# Altium PCB PCB.PcbDoc (part 3 of 4)
Units mm, origin at the board's own origin, x right, y up, seen from the top; angles counter-clockwise.
Board outline 71 x 50 mm, 6 copper layers (Top Layer, Int1 (GND), Int2 (Sign), Int3 (Sign), Int4 (PWR), Bottom Layer), stack 1.146 mm thick; 315 components, 294 nets, 1506 pads, 503 vias.
Unrouted connection lines stored in the file: 670.
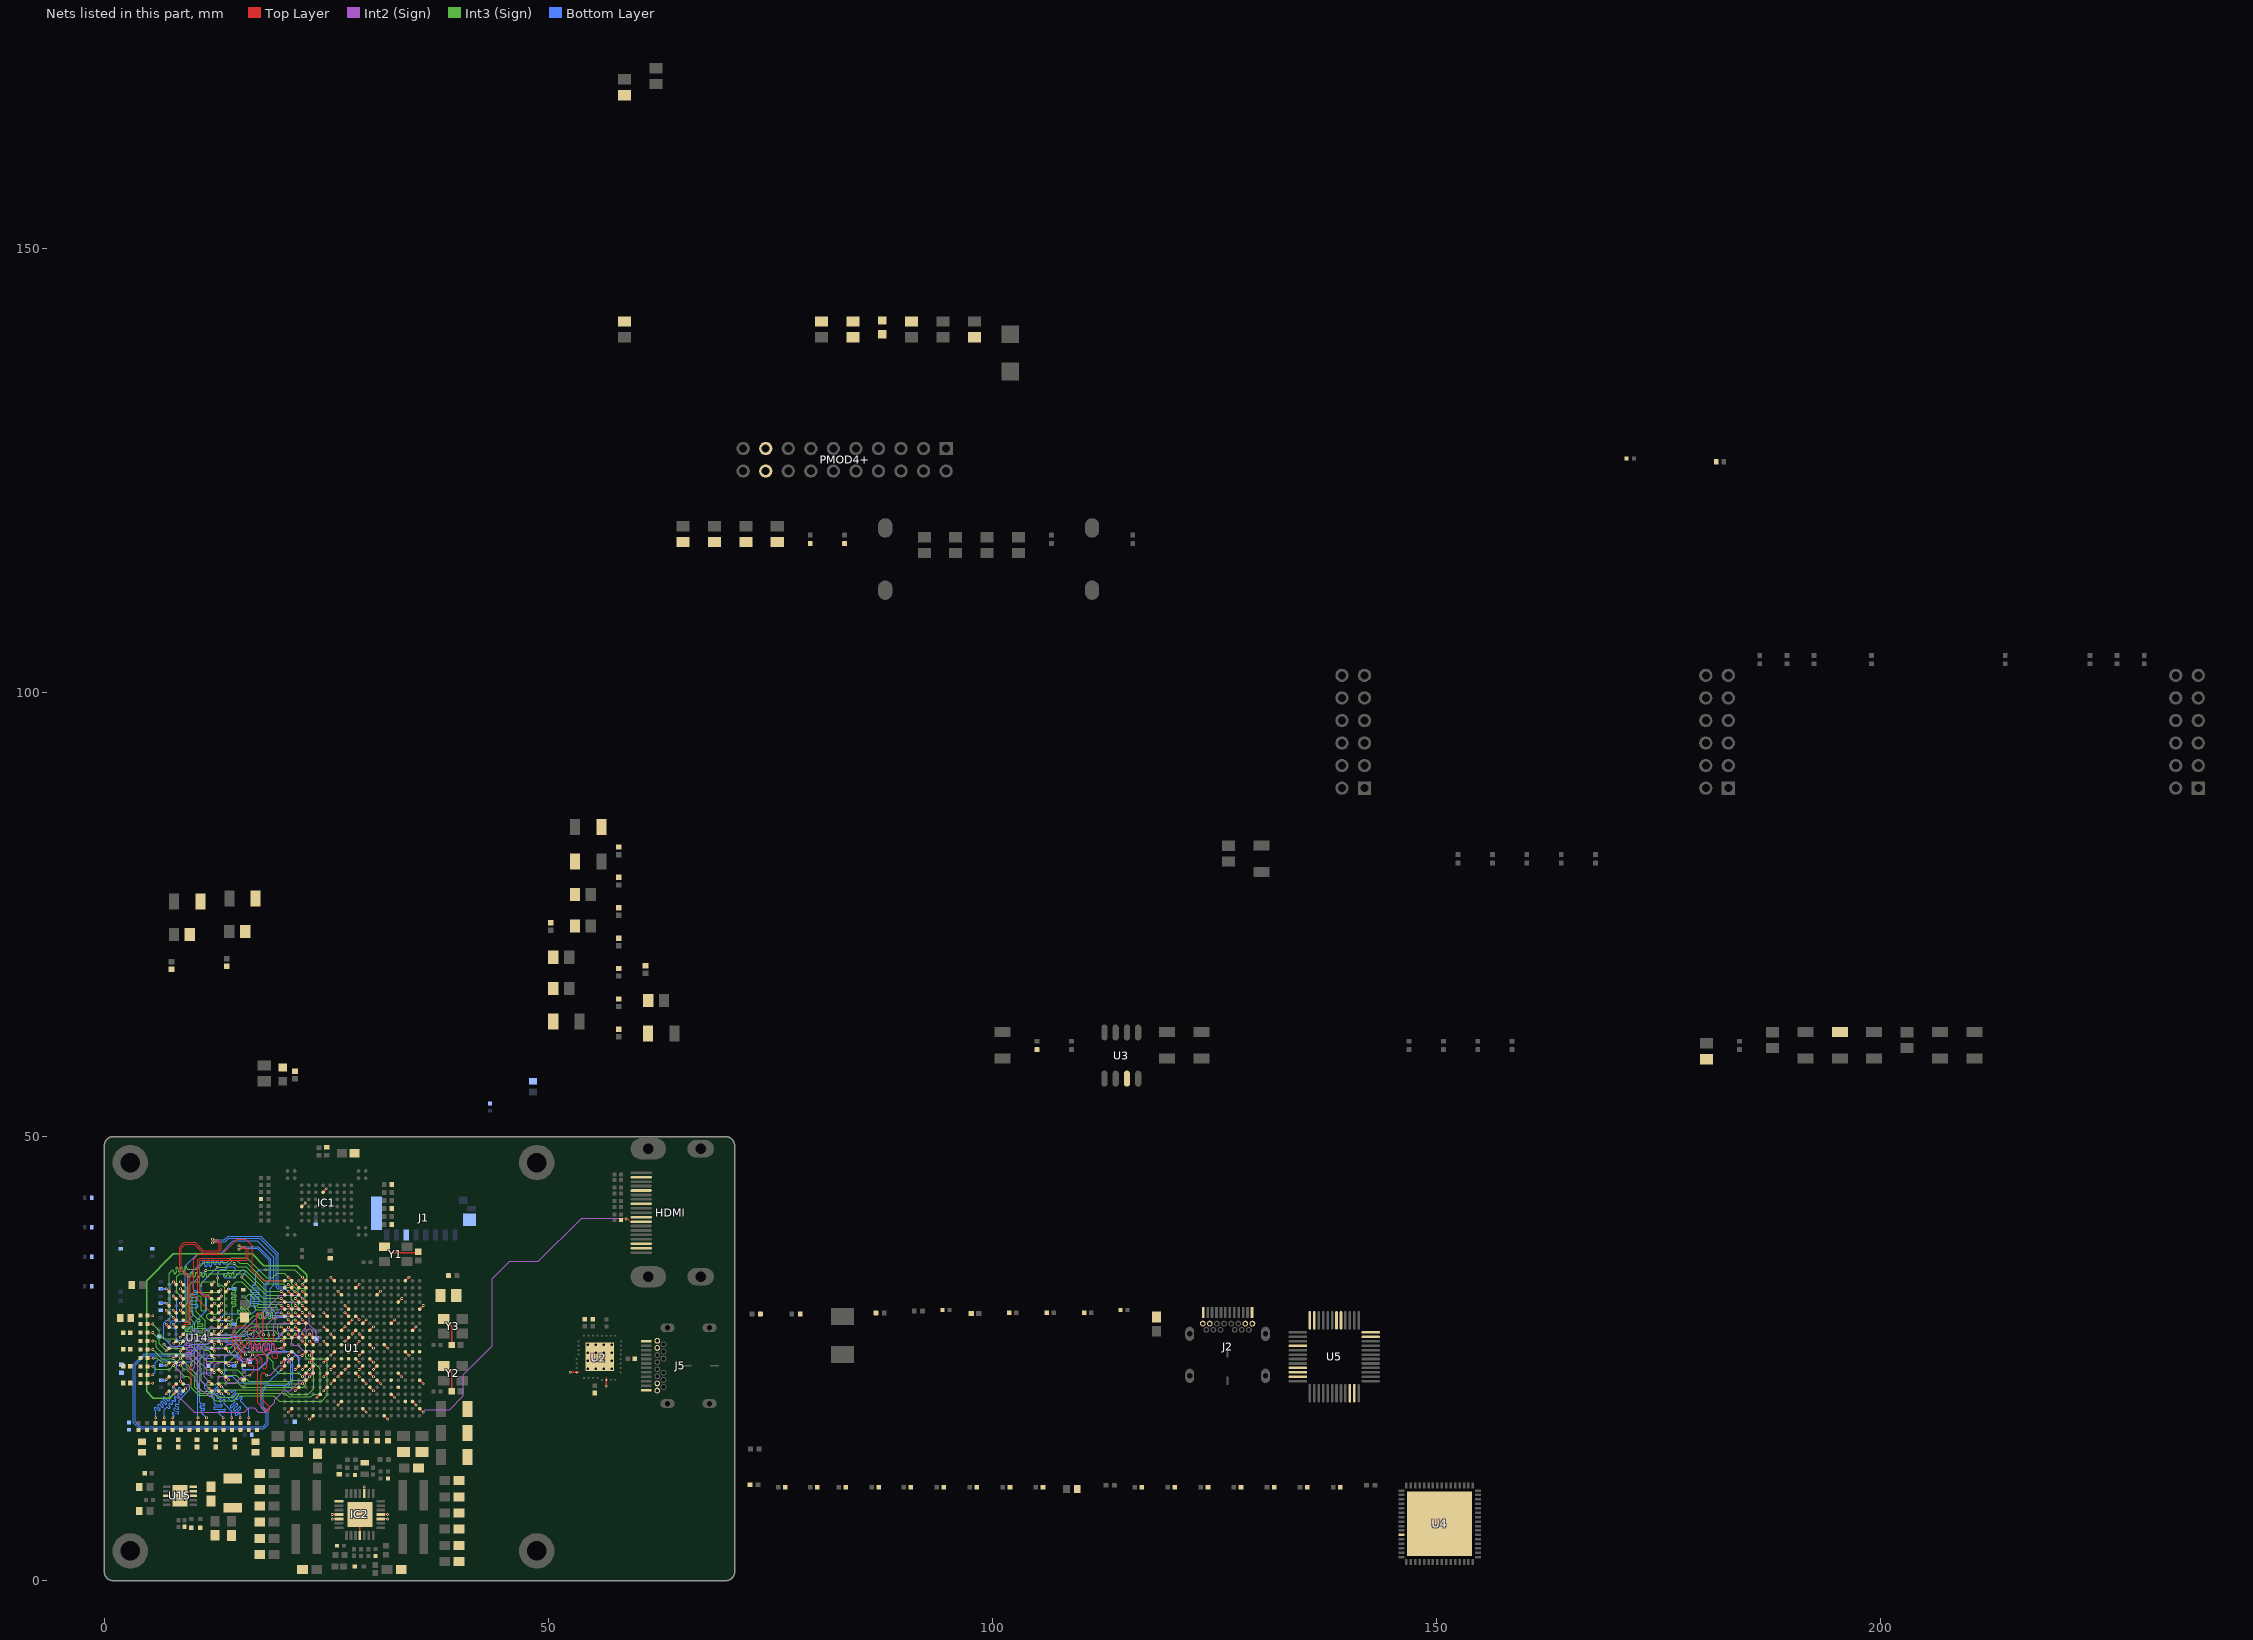
[diagram p7: the nets of this part, all layers, seen from the top]

## Via types
v1: diameter 0.3, hole 0.15, Top Layer to Bottom Layer, 451 vias
v2: diameter 0.6, hole 0.4, Top Layer to Bottom Layer, tented both sides, 32 vias
v3: diameter 0.5, hole 0.3, Top Layer to Bottom Layer, 16 vias
v4: diameter 0.5, hole 0.2, Top Layer to Bottom Layer, 4 vias

## Nets (pads, with @x,y where several pads share a name; then routed paths per layer and width w, separated by ;. In a path a pad name is that pad's centre, name@x,y a point inside that pad or via, vN(x,y) a via of type N, cw(c..) or ccw(c..) an arc to the next point about the centre after c; other vN are vias at no path point) (continued)
DDR-0-A6: R99.2 U1.L4 U14.R8 | length 35.8
  Top Layer w0.127: R99.2@16.275,17.76 v1(16.275,18.334) ; v1(16.4,23.15) 16.83,23.58 16.83,24.129 16.689,24.27 16.311,24.27 16.17,24.411 16.17,24.75 16.41,24.99 17.05,24.99 17.31,24.73 17.31,20.01 18.22,19.1 18.479,19.1 18.62,19.241 18.62,19.53 17.66,20.49 17.66,23.232 17.839,23.411 18.038,23.411 v1(18.3,23.15) v1(18.3,23.15)
  Top Layer w0.15: v1(22.31,25.363) 22.31,25.367 22.703,25.76 U1.L4@22.71,25.76
  Top Layer w0.237: U14.R8@12.898,22.15 v1(13.207,21.842)
  Int2 (Sign) w0.127: v1(13.207,21.842) 12.845,22.204 12.845,22.874 12.966,22.995 13.353,22.995 13.56,22.788 13.56,22.59 13.89,22.26 14.79,22.26 15.42,22.89 15.76,22.89 16.02,23.15 v1(16.4,23.15) ; v1(18.3,23.15) 18.68,23.15 19.712,24.182 20.142,24.182 20.337,24.377 20.337,24.686 20.362,24.711 20.362,24.727 20.57,24.935 21.085,24.935 21.51,25.36 22.307,25.36 v1(22.31,25.363)
  Bottom Layer w0.127: v1(13.207,21.842) 13.588,21.46 14.08,21.46 14.225,21.315 14.27,21.27 ccw(c14.36,21.36) 14.45,21.27 14.581,21.402 cw(c14.671,21.312) 14.761,21.402 cw(c14.671,21.312) 14.761,21.222 14.325,20.787 ccw(c14.415,20.697) 14.325,20.607 ccw(c14.415,20.697) 14.505,20.607 14.94,21.042 cw(c15.03,20.953) 15.12,21.042 cw(c15.03,20.953) 15.12,20.863 14.874,20.617 ccw(c14.963,20.527) 14.874,20.437 ccw(c14.963,20.527) 15.053,20.437 15.3,20.683 cw(c15.389,20.593) 15.479,20.683 cw(c15.389,20.593) 15.479,20.504 15.348,20.372 ccw(c15.437,20.282) 15.348,20.192 16.049,19.491 16.094,19.446 16.275,19.265 v1(16.275,18.334)
DDR-0-A7: R100.2 U1.K4 U14.R2 | length 36.7
  Top Layer w0.127: R100.2@5.792,17.76 v1(5.792,18.334)
  Top Layer w0.15: v1(22.297,26.993) 22.302,26.993 22.7,26.595 U1.K4@22.7,26.59
  Top Layer w0.237: v1(7.79,21.842) U14.R2@8.098,22.15
  Int2 (Sign) w0.127: v1(7.79,21.842) 8.329,21.303 8.329,20.767 10.113,18.983 15.782,18.983 16.249,19.451 16.882,19.451 17.349,18.983 18.093,18.983 19.18,20.07 19.18,20.369 20.211,21.4 20.93,21.4 22.07,22.54 22.496,22.54 22.673,22.717 22.673,23.133 22.857,23.317 23.307,23.317 23.49,23.5 23.49,25.51 23.07,25.93 22.379,25.93 21.775,26.533 21.327,26.533 21.112,26.748 21.112,27.136 21.375,27.4 21.776,27.4 22.103,27.074 22.191,27.074 22.271,26.993 v1(22.297,26.993)
  Bottom Layer w0.127: v1(5.792,18.334) 5.792,18.96 5.792,19.05 ccw(c5.575,19.05) 5.728,19.203 5.653,19.278 cw(c5.743,19.368) 5.653,19.457 cw(c5.743,19.368) 5.833,19.457 6.094,19.196 ccw(c6.184,19.286) 6.274,19.196 ccw(c6.184,19.286) 6.274,19.376 6.045,19.604 cw(c6.135,19.694) 6.045,19.784 cw(c6.135,19.694) 6.225,19.784 6.453,19.556 ccw(c6.543,19.645) 6.633,19.556 ccw(c6.543,19.645) 6.633,19.735 6.404,19.964 cw(c6.494,20.053) 6.404,20.143 cw(c6.494,20.053) 6.584,20.143 6.812,19.915 ccw(c6.902,20.005) 6.992,19.915 ccw(c6.902,20.005) 6.992,20.094 6.643,20.443 cw(c6.733,20.533) 6.643,20.623 cw(c6.733,20.533) 6.823,20.623 7.172,20.274 ccw(c7.261,20.364) 7.351,20.274 ccw(c7.261,20.364) 7.351,20.454 7.297,20.508 cw(c7.387,20.597) 7.297,20.687 7.4,20.79 7.4,20.938 7.4,21.151 7.757,21.508 7.757,21.808 v1(7.79,21.842)
DDR-0-A8: R101.2 U1.K1 U14.T8 | length 36.8
  Top Layer w0.127: R101.2@15.322,17.76 v1(15.322,18.334)
  Top Layer w0.15: v1(19.91,26.16) U1.K1@20.31,26.56
  Top Layer w0.237: U14.T8@12.898,21.35 v1(13.207,21.042)
  Int2 (Sign) w0.127: v1(13.207,21.042) 12.728,21.52 12.46,21.52 12.22,21.28 12.22,20.865 12.099,20.743 11.817,20.743 11.23,21.33 10.93,21.33 10.63,21.63 10.63,22.19 10.27,22.55 10.27,23.33 10.52,23.58 10.52,26.51 11.045,27.035 11.685,27.035 12.05,27.4 14.78,27.4 16.02,26.16 16.143,26.16 16.206,26.16 ccw(c16.206,26.287) 16.333,26.287 16.333,26.558 cw(c16.46,26.558) 16.587,26.558 16.587,26.022 ccw(c16.714,26.022) 16.841,26.022 16.841,26.558 cw(c16.968,26.558) 17.095,26.558 17.095,26.022 ccw(c17.222,26.022) 17.349,26.022 17.349,26.558 cw(c17.476,26.558) 17.603,26.558 17.603,26.022 ccw(c17.73,26.022) 17.857,26.022 17.857,26.558 cw(c17.984,26.558) 18.111,26.558 18.111,26.022 ccw(c18.238,26.022) 18.365,26.022 18.365,26.558 cw(c18.492,26.558) 18.619,26.558 18.619,26.022 ccw(c18.746,26.022) 18.873,26.022 18.873,26.558 cw(c19,26.558) 19.127,26.558 19.127,26.022 ccw(c19.254,26.022) 19.381,26.022 19.381,26.033 cw(c19.508,26.033) 19.508,26.16 v1(19.91,26.16)
  Bottom Layer w0.127: v1(13.207,21.042) 13.61,20.639 13.871,20.639 14.217,20.293 14.262,20.248 14.268,20.242 ccw(c14.358,20.332) 14.442,20.236 14.519,20.303 cw(c14.602,20.208) 14.698,20.291 cw(c14.602,20.208) 14.686,20.112 14.231,19.714 ccw(c14.314,19.618) 14.219,19.534 ccw(c14.314,19.618) 14.398,19.522 14.853,19.921 cw(c14.937,19.825) 15.032,19.909 cw(c14.937,19.825) 15.021,19.73 14.582,19.346 ccw(c14.665,19.25) 14.57,19.166 ccw(c14.665,19.25) 14.749,19.155 15.188,19.539 cw(c15.271,19.443) 15.367,19.527 cw(c15.271,19.443) 15.355,19.348 14.78,18.844 ccw(c14.864,18.749) 14.768,18.665 ccw(c14.864,18.749) 14.947,18.653 15.112,18.797 cw(c15.195,18.701) 15.322,18.701 15.322,18.368 v1(15.322,18.334)
DDR-0-A9: R102.2 U1.J4 U14.R3 | length 36.7
  Top Layer w0.127: R102.2@7.698,17.76 v1(7.698,18.334)
  Top Layer w0.15: v1(22.308,27.801) 22.308,27.797 22.7,27.405 U1.J4@22.7,27.39
  Top Layer w0.237: v1(8.59,22.458) U14.R3@8.898,22.15
  Int2 (Sign) w0.127: v1(8.59,22.458) 8.59,23.45 8.18,23.86 8.18,24.474 8.301,24.595 9.015,24.595 9.214,24.396 9.214,24.113 9.497,23.83 9.95,23.83 10.19,24.07 10.19,27.28 10.46,27.55 11.484,27.55 11.64,27.707 14.993,27.707 15.14,27.56 15.38,27.56 15.56,27.74 15.56,27.96 15.71,28.11 15.98,28.11 16.14,27.95 16.14,27.54 16.36,27.32 16.65,27.32 16.91,27.58 16.91,28.6 17.05,28.74 17.359,28.74 17.48,28.619 17.48,27.5 17.88,27.1 19.34,27.1 19.647,27.407 19.647,28.027 19.567,28.106 19.567,28.827 19.71,28.97 22.579,28.97 22.7,28.849 22.7,28.455 22.326,28.081 22.326,27.819 v1(22.308,27.801)
  Bottom Layer w0.127: v1(7.698,18.334) 7.766,18.403 7.823,18.459 ccw(c7.733,18.549) 7.775,18.669 7.728,18.685 cw(c7.771,18.805) 7.651,18.847 cw(c7.771,18.805) 7.813,18.925 8.22,18.782 ccw(c8.262,18.902) 8.382,18.86 ccw(c8.262,18.902) 8.304,19.022 7.897,19.165 cw(c7.939,19.285) 7.981,19.404 8.22,19.32 ccw(c8.262,19.44) 8.382,19.398 ccw(c8.262,19.44) 8.304,19.56 8.065,19.644 cw(c8.108,19.764) 7.988,19.806 cw(c8.108,19.764) 8.15,19.884 8.251,19.848 ccw(c8.293,19.968) 8.42,19.968 8.42,20.24 8.42,20.32 9.65,21.55 9.65,21.877 9.396,22.132 8.964,22.132 8.637,22.458 v1(8.59,22.458)
DDR-0-A10: R103.2 U1.F5 U14.L7 | length 36.8
  Top Layer w0.127: R103.2@10.557,17.76 v1(10.557,18.334)
  Top Layer w0.15: v1(23.1,30.19) U1.F5@23.5,29.79
  Top Layer w0.237: U14.L7@12.098,25.35 v1(12.408,25.039)
  Int2 (Sign) w0.127: v1(12.408,25.039) 12.391,25.022 12.391,24.711 12.27,24.59 12.035,24.59 11.914,24.469 11.914,23.936 12.05,23.8 12.05,23.3 11.9,23.15 11.691,23.15 11.57,23.271 11.57,25.16 11.87,25.46 14.5,25.46 15.007,24.953 15.233,24.953 15.476,24.71 16.55,24.71 17.34,25.5 18.436,25.5 18.58,25.644 19.924,25.644 20.274,25.994 20.274,27.387 20.01,27.65 20.01,27.9 20.29,28.18 21.72,28.18 21.93,27.97 21.93,27.68 22.23,27.38 22.496,27.38 22.767,27.651 22.767,28.088 23.069,28.39 23.18,28.39 23.51,28.06 23.51,27.16 23.8,26.87 24.029,26.87 24.15,26.991 24.15,27.31 23.85,27.61 23.85,28.081 23.1,28.831 v1(23.1,30.19)
  Bottom Layer w0.127: v1(10.557,18.334) 10.557,23.557 10.83,23.83 10.83,24.42 10.602,24.648 10.602,24.753 11.006,25.157 11.111,25.157 11.229,25.039 v1(12.408,25.039)
DDR-0-A11: R104.2 U1.G4 U14.R7 | length 35.7
  Top Layer w0.127: R104.2@13.416,17.76 v1(13.416,18.334) ; v1(16.7,25.43) 17.26,25.43 17.78,24.91 17.78,24.04 17.94,23.88 18.16,23.88 18.3,24.02 18.3,25.23 17.939,25.591 17.939,25.789 18.241,26.091 18.439,26.091 18.93,25.6 18.93,25.22 19.09,25.06 19.4,25.06 19.54,25.2 19.54,25.67 19.2,26.01 19.2,26.32 18.86,26.66 18.86,26.919 19.08,27.139 v1(19.08,27.68)
  Top Layer w0.15: v1(22.3,29.39) U1.G4@22.7,28.99
  Top Layer w0.237: v1(11.79,22.458) U14.R7@12.098,22.15
  Int2 (Sign) w0.127: v1(11.79,22.458) 11.257,22.992 11.257,25.927 11.525,26.195 13.495,26.195 13.92,26.62 14.45,26.62 14.71,26.36 14.71,25.91 15.603,25.017 16.287,25.017 v1(16.7,25.43) ; v1(19.08,27.68) 19.08,28.82 19.27,29.01 19.27,29.36 19.69,29.78 21.91,29.78 v1(22.3,29.39)
  Bottom Layer w0.127: v1(11.79,22.458) 11.33,21.998 11.33,21.65 12.405,20.575 12.405,20.339 12.405,19.957 ccw(c12.532,19.957) 12.532,19.83 13.141,19.83 cw(c13.141,19.703) 13.141,19.576 12.433,19.576 ccw(c12.433,19.449) 12.433,19.322 13.507,19.322 cw(c13.507,19.195) 13.507,19.068 12.989,19.068 ccw(c12.989,18.941) 12.899,18.852 13.063,18.687 v1(13.416,18.334)
DDR-0-A12: R105.2 U1.E4 U14.N7 | length 35.7
  Top Layer w0.127: R105.2@11.51,17.76 v1(11.51,18.334) ; v1(14.9,24.6) 15.42,25.12 15.42,25.66 14.47,26.61 14.47,28.07 15.08,28.68 15.92,28.68 16.41,28.19 17.019,28.19 17.16,28.331 17.16,30.039 17.301,30.18 17.739,30.18 17.88,30.039 17.88,28.36 17.86,28.34 17.86,28.164 16.94,27.243 16.94,26.761 17.081,26.62 17.36,26.62 17.93,27.19 v1(17.93,27.71)
  Top Layer w0.15: v1(22.3,30.99) U1.E4@22.7,30.59
  Top Layer w0.237: U14.N7@12.098,23.75 12.098,23.746 12.407,23.438 v1(12.407,23.434)
  Int2 (Sign) w0.127: v1(12.407,23.434) 12.407,24.247 12.76,24.6 v1(14.9,24.6) ; v1(17.93,27.71) 17.93,29.489 19.791,31.35 21.94,31.35 v1(22.3,30.99)
  Bottom Layer w0.127: v1(11.51,18.334) 11.049,18.795 10.885,18.959 cw(c10.975,19.049) 10.975,19.176 11.171,19.176 ccw(c11.171,19.303) 11.171,19.43 10.911,19.43 cw(c10.911,19.557) 10.911,19.684 11.171,19.684 ccw(c11.171,19.811) 11.171,19.938 10.911,19.938 cw(c10.911,20.065) 10.784,20.065 10.784,20.483 10.784,23.074 11.15,23.44 12.401,23.44 v1(12.407,23.434)
DDR-0-A13: R106.2 U1.D4 U14.T3 | length 36.6
  Top Layer w0.127: R106.2@6.745,17.76 v1(6.745,18.334) ; U14.T3@8.898,21.35 9.8,22.252 v1(9.8,24.29)
  Top Layer w0.15: v1(22.3,31.79) U1.D4@22.7,31.39
  Top Layer w0.237: U14.T3@8.898,21.35 v1@9.161,21.612
  Int2 (Sign) w0.127: v1(9.8,24.29) 9.8,24.862 ccw(c9.673,24.862) 9.673,24.989 9.317,24.989 cw(c9.317,25.116) 9.317,25.243 9.794,25.243 ccw(c9.794,25.37) 9.794,25.497 9.317,25.497 cw(c9.317,25.624) 9.317,25.751 9.786,25.751 ccw(c9.786,25.878) 9.786,26.005 9.317,26.005 cw(c9.317,26.132) 9.317,26.259 9.786,26.259 ccw(c9.786,26.386) 9.786,26.513 9.317,26.513 cw(c9.317,26.64) 9.317,26.767 9.786,26.767 ccw(c9.786,26.894) 9.786,27.021 9.317,27.021 cw(c9.317,27.148) 9.317,27.275 9.673,27.275 ccw(c9.673,27.402) 9.8,27.402 9.8,27.711 9.8,27.94 10.09,28.23 10.42,28.23 10.71,27.94 11.29,27.94 11.813,28.463 16.043,28.463 19.75,32.17 21.913,32.17 22.066,32.016 22.074,32.016 v1(22.3,31.79)
  Bottom Layer w0.127: v1(6.745,18.334) 6.745,19.224 6.765,19.244 6.989,19.468 cw(c7.079,19.378) 7.169,19.468 7.201,19.436 ccw(c7.291,19.526) 7.381,19.436 ccw(c7.291,19.526) 7.381,19.616 7.287,19.71 cw(c7.377,19.8) 7.287,19.889 cw(c7.377,19.8) 7.466,19.889 7.478,19.878 ccw(c7.567,19.968) 7.657,19.878 ccw(c7.567,19.968) 7.657,20.058 7.646,20.069 cw(c7.736,20.158) 7.646,20.248 cw(c7.736,20.158) 7.826,20.248 7.837,20.237 ccw(c7.927,20.327) 8.016,20.237 ccw(c7.927,20.327) 8.016,20.417 7.938,20.495 cw(c8.028,20.585) 7.938,20.675 cw(c8.028,20.585) 8.118,20.675 8.196,20.597 ccw(c8.286,20.686) 8.376,20.597 ccw(c8.286,20.686) 8.376,20.776 8.253,20.899 cw(c8.343,20.988) 8.253,21.078 cw(c8.343,20.988) 8.433,21.078 8.555,20.956 ccw(c8.645,21.046) 8.735,20.956 ccw(c8.645,21.046) 8.735,21.135 8.345,21.525 cw(c8.435,21.615) 8.345,21.705 cw(c8.435,21.615) 8.524,21.705 8.785,21.444 ccw(c8.875,21.534) 8.965,21.444 v1(9.147,21.626)
DDR-0-A14: R107.2 U1.F4 U14.T7 | length 35.8
  Top Layer w0.127: R107.2@14.369,17.76 v1(14.369,18.334) ; v1(15.91,25.46) 15.899,25.471 15.899,25.831 14.87,26.86 14.87,27.289 15.011,27.43 15.309,27.43 15.45,27.289 15.45,26.77 15.73,26.49 15.929,26.49 16.07,26.63 16.07,26.98 16.211,27.12 16.41,27.12 16.6,26.93 16.6,26.355 16.741,26.215 17.674,26.215 18.54,27.08 v1(18.54,27.663)
  Top Layer w0.15: v1(22.3,30.205) 22.3,30.202 22.7,29.803 U1.F4@22.7,29.79
  Top Layer w0.237: v1(11.79,21.658) U14.T7@12.098,21.35
  Int2 (Sign) w0.127: v1(11.79,21.658) 10.84,22.608 10.84,26.28 11.236,26.676 11.77,26.676 12.134,27.04 14.65,27.04 15.175,26.515 15.175,26.195 v1(15.91,25.46) ; v1(18.54,27.663) 18.522,27.681 18.522,28.12 18.284,28.358 18.284,28.808 19.29,29.814 19.29,30.07 19.846,30.626 21.879,30.626 v1(22.3,30.205)
  Bottom Layer w0.127: v1(11.79,21.658) 11.79,21.63 11.833,21.587 11.878,21.542 12.059,21.361 ccw(c12.149,21.451) 12.238,21.361 12.651,21.774 cw(c12.741,21.684) 12.831,21.774 cw(c12.741,21.684) 12.831,21.595 12.359,21.122 ccw(c12.448,21.032) 12.359,20.942 ccw(c12.448,21.032) 12.538,20.942 12.624,21.028 cw(c12.714,20.939) 12.804,21.028 cw(c12.714,20.939) 12.804,20.849 12.705,20.75 ccw(c12.795,20.66) 12.705,20.571 ccw(c12.795,20.66) 12.885,20.571 12.97,20.656 cw(c13.06,20.566) 13.149,20.656 cw(c13.06,20.566) 13.149,20.476 13,20.327 ccw(c13.09,20.237) 13,20.147 ccw(c13.09,20.237) 13.18,20.147 13.407,20.375 cw(c13.497,20.285) 13.587,20.375 cw(c13.497,20.285) 13.587,20.195 13.496,20.104 ccw(c13.585,20.014) 13.496,19.924 13.675,19.745 13.72,19.7 14.369,19.051 v1(14.369,18.334)
DDR-0-BA0: R108.2 U1.L5 U14.M2 | length 30.7
  Top Layer w0.127: R108.2@4.875,24.137 v1(5.449,24.137)
  Top Layer w0.15: v1(23.122,25.382) U1.L5@23.52,25.78
  Top Layer w0.237: v1(7.8,24.232) 7.8,24.242 8.098,24.54 U14.M2@8.098,24.55
  Int3 (Sign) w0.127: v1(5.449,24.137) 5.784,23.802 7.37,23.802 v1(7.8,24.232) 9.022,23.01 9.42,23.01 9.78,22.65 9.78,21.72 10.64,20.86 11.91,20.86 12.5,20.27 14.58,20.27 15.12,20.81 19.1,20.81 19.69,20.22 24.48,20.22 25.14,20.88 25.14,24.79 24.94,24.99 23.513,24.99 v1(23.122,25.382)
DDR-0-BA1: R109.2 U1.R4 U14.N8 | length 11.2
  Top Layer w0.127: R109.2@4.875,22.232 v1(5.449,22.232)
  Top Layer w0.15: v1(22.32,22.18) U1.R4@22.72,22.58
  Top Layer w0.237: U14.N8@12.898,23.75 12.898,23.746 13.207,23.438 v1(13.207,23.434)
  Int3 (Sign) w0.127: v1(13.207,23.434) 13.214,23.434 13.532,23.117 14.893,23.117 15.83,22.18 v1(22.32,22.18)
DDR-0-BA2: R110.2 U1.J5 U14.M3 | length 32.4
  Top Layer w0.127: R110.2@4.875,23.184 v1(5.449,23.184)
  Top Layer w0.15: v1(23.12,27.78) U1.J5@23.52,27.38
  Top Layer w0.237: v1(8.59,24.242) U14.M3@8.898,24.55
  Int3 (Sign) w0.127: v1(8.59,24.242) 8.942,23.889 9.201,23.889 10.178,22.913 10.178,21.762 10.822,21.118 12.362,21.118 12.84,20.64 14.43,20.64 14.91,21.12 20.37,21.12 20.8,20.69 23.27,20.69 23.595,21.015 24.185,21.015 24.32,21.15 24.32,23.828 24.019,24.13 24.014,24.13 23.162,24.982 22.908,24.982 22.71,25.18 22.71,27.37 v1(23.12,27.78)
  Bottom Layer w0.127: v1(5.449,23.184) 5.763,23.498 5.763,24.563 6.1,24.9 6.947,24.9 7.167,24.68 7.795,24.68 8.233,24.242 v1(8.59,24.242)
DDR-0-CAS: R115.2 U1.P5 U14.K3 | length 23.8
  Top Layer w0.127: R115.2@4.875,26.993 v1(5.449,26.993)
  Top Layer w0.15: v1(23.12,22.98) U1.P5@23.52,23.38
  Top Layer w0.237: v1(8.59,25.87) 8.618,25.87 U14.K3@8.898,26.15
  Int3 (Sign) w0.127: v1(5.449,26.993) 5.777,26.993 5.88,26.89 5.88,26.28 6.6,25.56 8.531,25.56 ; v1(8.59,25.87) 8.59,25.619 8.531,25.56 ; v1(23.12,22.98) 22.72,22.58 22.72,22.13 22.39,21.8 15.54,21.8 15.04,22.3 12.74,22.3 12.51,22.07 11.32,22.07 10.92,22.47 10.92,23.84 9.2,25.56 8.531,25.56
DDR-0-CLK: R118.2 U1.N3 U14.K9 | length 13.8
  Top Layer w0.127: R118.2@4.875,29.85 v1(5.449,29.85)
  Top Layer w0.15: v1(21.52,23.78) U1.N3@21.92,24.18
  Top Layer w0.237: U14.K9@13.698,26.15 13.698,26.147 14.002,25.844 v1(14.002,25.842)
  Bottom Layer w0.15: v1(14.002,25.842) 14.44,25.403 14.857,25.403 15.57,24.69 15.57,23.85 15.69,23.73 17.36,23.73 18.36,24.73 18.36,25.35 18.6,25.59 18.782,25.772 19.332,25.772 19.34,25.78 21.22,25.78 21.89,25.11 21.89,24.15 v1(21.52,23.78)
DDR-0-CLK0_N: R119.2 U1.M2 U14.K7 | length 43
  Top Layer w0.15: v1(20.715,24.58) 20.718,24.58 21.117,24.98 U1.M2@21.12,24.98
  Top Layer w0.237: U14.K7@12.098,26.15 v1(12.407,25.842)
  Bottom Layer w0.092: v1(12.407,25.842) 12.407,26.076 12.353,26.13 10.52,26.13 9.72,25.33 4.59,25.33 3.51,24.25 3.51,17.9 4.07,17.34 17.9,17.34 18.26,17.7 18.26,18.9 17.691,19.469 17.691,21.511 18.179,21.999 20.499,21.999 21.03,22.53 21.03,24.786 20.976,24.84 20.77,24.84 20.715,24.785 v1(20.715,24.58)
DDR-0-CLK0_P: R119.1 U1.L2 U14.J7 | length 44.5
  Top Layer w0.15: v1(20.746,25.354) 20.746,25.38 21.12,25.754 U1.L2@21.12,25.78
  Top Layer w0.237: U14.J7@12.098,26.95 v1(12.407,26.642)
  Bottom Layer w0.092: v1(12.407,26.642) 12.407,26.403 12.353,26.349 10.429,26.349 9.629,25.549 4.499,25.549 3.291,24.341 3.291,17.809 3.979,17.121 17.991,17.121 18.479,17.609 18.479,18.991 17.91,19.56 17.91,21.42 18.27,21.78 20.59,21.78 21.249,22.439 21.249,24.877 21.067,25.059 20.77,25.059 20.746,25.083 v1(20.746,25.354)
DDR-0-CS0: R111.2 U1.N1 U14.L2 | length 20.1
  Top Layer w0.127: R111.2@4.875,26.041 v1(5.449,26.041)
  Top Layer w0.15: v1(19.92,23.765) 19.92,23.773 20.32,24.172 U1.N1@20.32,24.18
  Top Layer w0.237: v1(7.79,25.013) 7.79,25.027 8.098,25.336 U14.L2@8.098,25.35
  Int3 (Sign) w0.127: v1(5.449,26.041) 6.485,25.006 7.783,25.006 v1(7.79,25.013)
  Bottom Layer w0.127: v1(7.79,25.013) 8.123,24.68 9.95,24.68 10.72,25.45 13.39,25.45 13.59,25.25 13.59,23.23 13.8,23.02 14.39,23.02 15.14,22.27 18.425,22.27 v1(19.92,23.765)
DDR-0-DQ0: U1.C3 U14.E3 | length 23.2
  Top Layer w0.15: v1(21.485,32.523) 21.526,32.523 21.869,32.18 U1.C3@21.92,32.18